# KiCad board Quiver_PT3_Main_PCB.kicad_pcb
note: AISLER Project ID: HGDYRTMZ
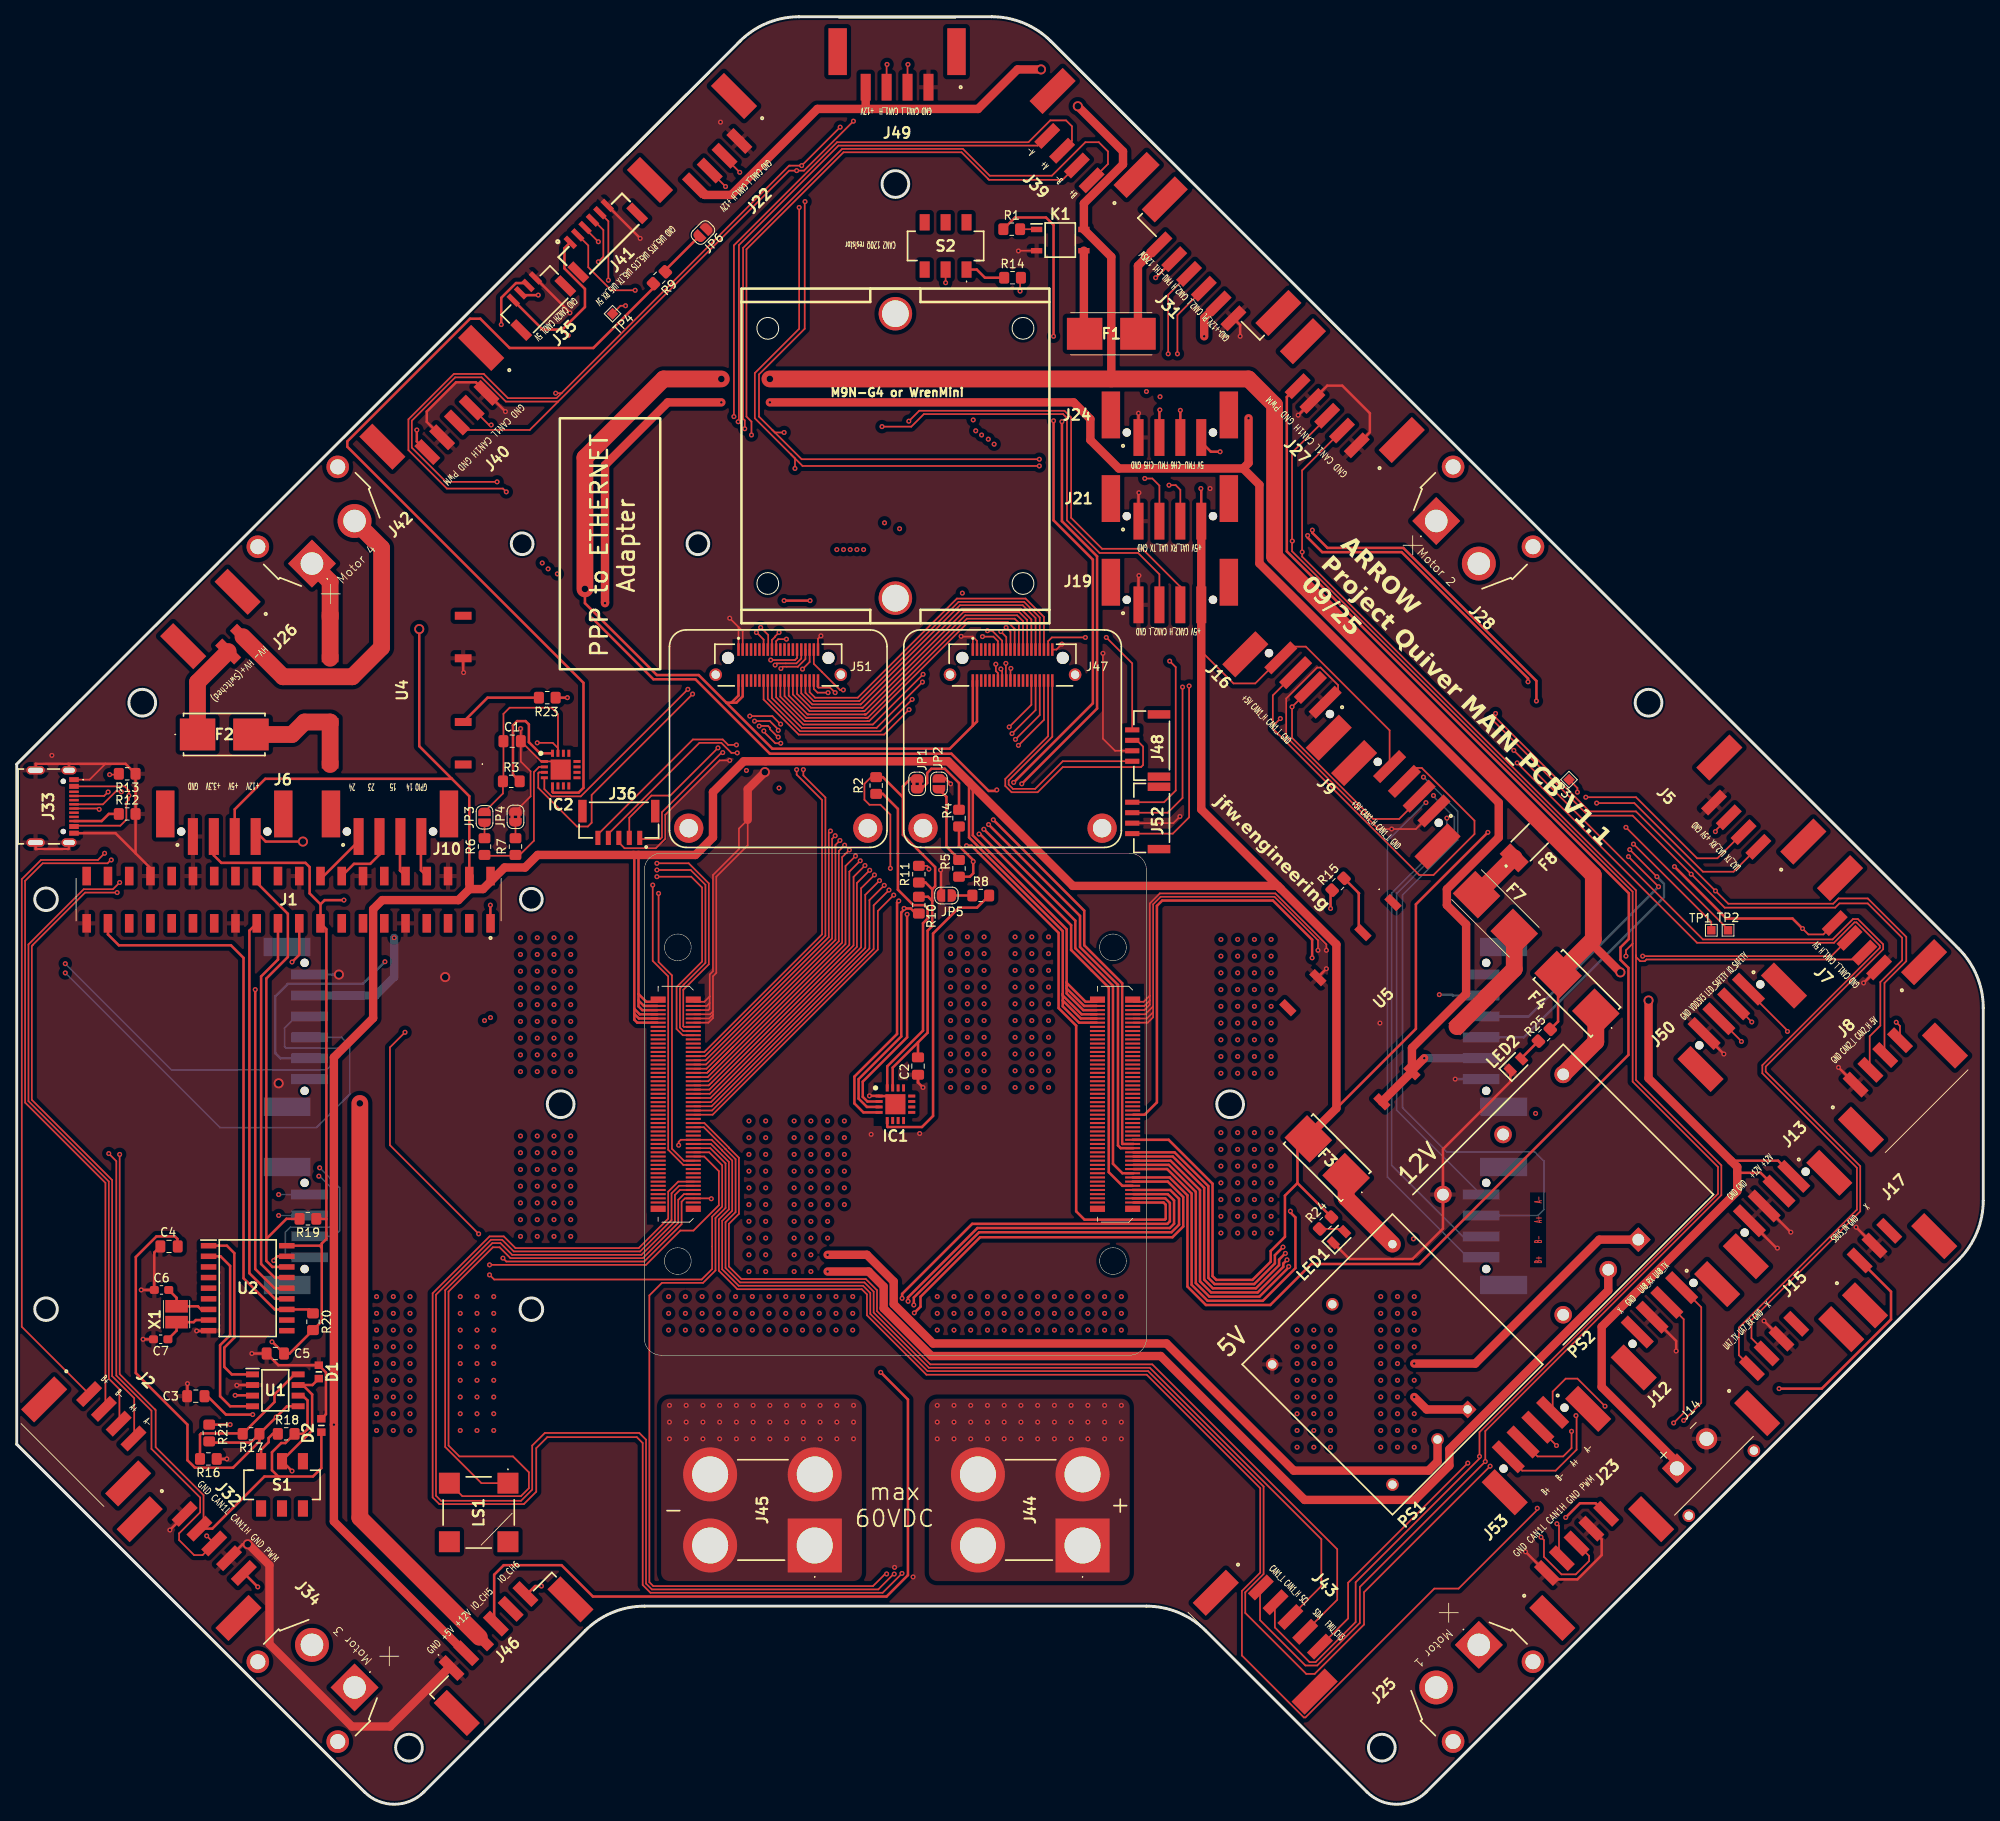
[diagram p0: board, top side]
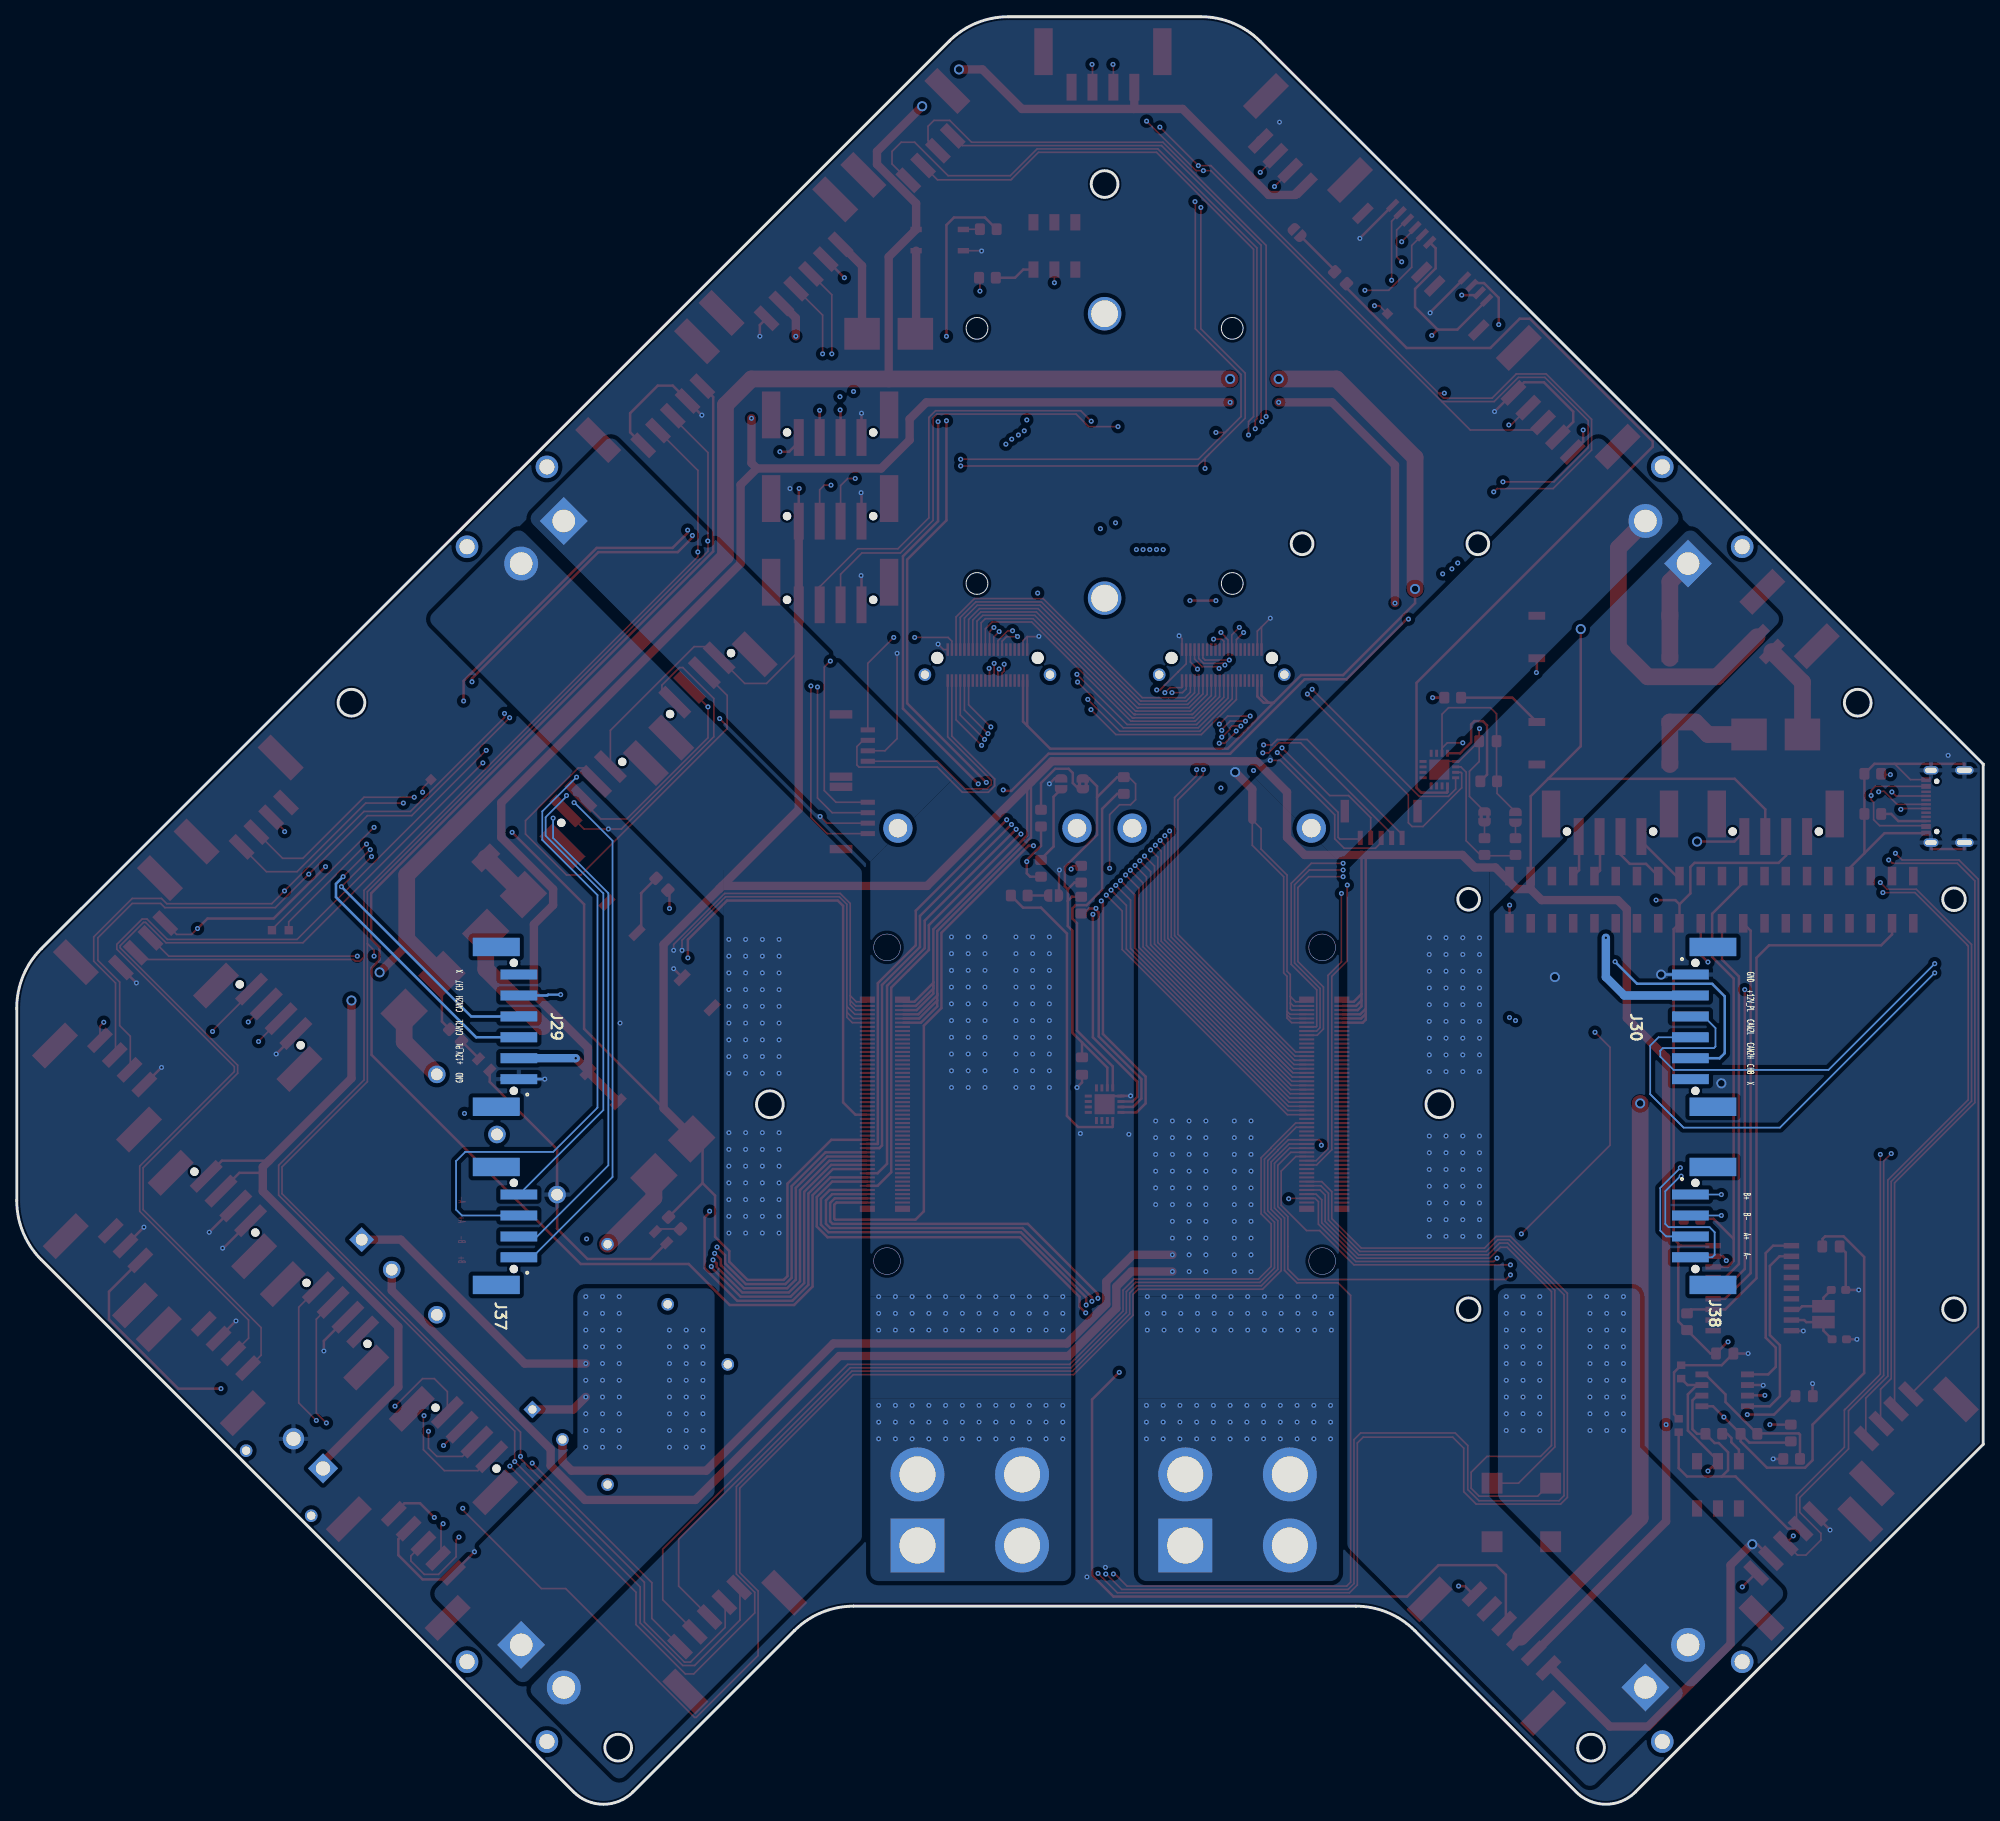
[diagram p1: board, bottom side, seen from below]

Outline 235 x 213.68 mm; copper layers: Top, In1.Cu, In2.Cu, In3.Cu, In4.Cu, Bottom. Coordinates in mm from the lower left corner of the outline.
Outline path: circle c3.5,108.18 r1.35 ; circle c3.5,59.18 r1.35 ; circle c15,131.68 r1.6 ; circle c46.87,6.77 r1.6 ; circle c60.4,150.68 r1.3 ; circle c61.5,108.18 r1.3 ; circle c61.5,59.18 r1.35 ; circle c65,83.68 r1.6 ; circle c79,102.43 r1.6 ; circle c79,64.93 r1.6 ; circle c81.4,150.68 r1.3 ; circle c105,193.68 r1.6 ; circle c131,102.43 r1.6 ; circle c131,64.93 r1.6 ; circle c145,83.68 r1.6 ; circle c163.13,6.77 r1.6 ; circle c195,131.68 r1.6 ; 0,124.33 0,43.03 41.57,1.46 arc(45.1,0) 48.64,1.46 67.93,20.75 arc(71.17,22.92) 75,23.68 135,23.68 arc(138.83,22.92) 142.07,20.75 161.35,1.48 arc(164.89,0) 168.43,1.46 232.08,65.11 arc(234.24,68.35) 235,72.18 235,95.19 arc(234.24,99.02) 232.07,102.26 123.57,210.76 arc(120.33,212.92) 116.51,213.68 93.47,213.68 arc(89.66,212.92) 86.42,210.75 0,124.33
Stack: Top 0.035mm / dielectric 0.1mm FR4 er 4.5 / In1.Cu 0.035mm / dielectric 0.535mm FR4 er 4.5 / In2.Cu 0.035mm / dielectric 0.1mm FR4 er 4.5 / In3.Cu 0.035mm / dielectric 0.535mm FR4 er 4.5 / In4.Cu 0.035mm / dielectric 0.1mm FR4 er 4.5 / Bottom 0.035mm

## Placement (name value [footprint] x y rotation side)
C1  100nF  [C_0805_2012Metric_Pad1.18x1.45mm_HandSolder]  59.2 127.08 0 top
C2  100nF  [C_0805_2012Metric_Pad1.18x1.45mm_HandSolder]  107.7 88.25 270 top
C3  100nF  [C_0805_2012Metric_Pad1.18x1.45mm_HandSolder]  21.4 48.78 0 top
C4  100nF  [C_0805_2012Metric_Pad1.18x1.45mm_HandSolder]  18.2 66.68 180 top
C5  100nF  [C_0805_2012Metric_Pad1.18x1.45mm_HandSolder]  30.9 53.88 0 top
C6  8pF  [C_0603_1608Metric_Pad1.08x0.95mm_HandSolder]  17.3 61.48 0 top
C7  8pF  [C_0603_1608Metric_Pad1.08x0.95mm_HandSolder]  17.2 55.58 0 top
D1  PESD0603-240  [DIONC1608X55N]  36.1 51.68 90 top
D2  PESD0603-240  [DIONC1608X55N]  36.4 45.28 90 top
F1  0154002.DR  [0154002DR]  130.8 175.78 0 top
F2  0154005.DR  [0154005DR]  24.8 127.88 0 top
F3  0154005.DR  [0154005DR]  156.6 77.28 135 top
F4  0154005.DR  [0154005DR]  186.44 96.94 135 top
F7  0154002.DR  [0154002DR]  176.7 106.48 135 top
F8  1812L110_24DR  [1812L010DR]  180.8 114.98 45 top
IC1  TSYS01  [QFN65P400X400X90-17N]  105 83.68 0 top
IC2  TSYS01  [QFN65P400X400X90-17N]  65 123.68 0 top
J1  RPI_5_WITH_SSQ-120-01-F-D  [SSM-120-XXX-DV]  32.49 108.13 0 top
J2  -  [1814935]  11.3 46.38 315 top
J3  -  [AXK6S00547YG]  78.75 83.68 270 top
J4  -  [AXK6S00547YG]  131.25 83.68 270 top
J5  -  [1814935]  205.47 117.1 135 top
J6  -  [1778719]  24.8 118.38 0 top
J7  -  [1814935]  219.9 102.68 135 top
J8  -  [1814935]  222.4 88.68 45 top
J9  -  [1778719]  164.8 119.48 135 top
J10  -  [1778719]  44.6 118.38 0 top
J11  -  [M9N-G4-3100]  105 161.18 0 top
J12  -  [1778719]  198.21 57.2 225 top
J13  -  [1778719]  211.61 70.5 225 top
J14  XT30PW-F  [XT30PW-F_AMASS_XT30PW-F]  203.7 38.38 225 top
J15  -  [1814935]  210 54.78 45 top
J16  -  [1778719]  151.8 132.48 135 top
J17  -  [1814922]  222 66.78 45 top
J19  -  [1778719]  137.8 146.08 0 top
J21  -  [1778719]  137.8 156.08 0 top
J22  -  [1814935]  83.7 196.18 225 top
J23  -  [1814948]  186.4 31.18 45 top
J24  -  [1778719]  137.8 166.08 0 top
J25  XT60PW-F  [XT60PWF]  176.4 12.28 225 top
J26  -  [1814919]  26.15 138.68 225 top
J27  -  [1814948]  156.6 165.98 135 top
J28  XT60PW-F  [XT60PWF]  176.4 155.08 315 top
J29  -  [1778735]  175 92.93 90 bottom
J30  -  [1778735]  35 92.93 270 bottom
J31  -  [1814951]  143.2 184.28 135 top
J32  -  [1814948]  23.6 31.18 315 top
J33  USB4216-03-A  [USB421603A]  3.5 119.28 270 top
J34  XT60PW-F  [XT60PWF]  33.6 12.28 135 top
J35  SM04B-GHS-TB_LF__SN_  [SM04B-GHS-TB]  60.8 180.98 45 top
J36  SM05B-GHS-TB_LF__SN_  [SM05B-GHS-TB]  71.95 115.72 180 top
J37  -  [1778719]  177.7 69.13 90 bottom
J38  -  [1778719]  32.3 69.13 270 bottom
J39  -  [1814935]  125.8 196.78 135 top
J40  -  [1814948]  52.6 165.18 225 top
J41  SM06B-GHS-TB_LF__SN_  [SM06B-GHS-TB]  67.6 182.08 45 top
J42  XT60PW-F  [XT60PWF]  33.6 155.08 45 top
J43  -  [1814948]  152.2 22.38 315 top
J44  -  [AMT0450003DB0000G]  127.36 30.93 90 top
J45  -  [AMT0450003DB0000G]  95.36 30.93 90 top
J46  -  [1814951]  58.6 18.48 45 top
J47  GIGABLOX_NANO_SWITCH_REVA_MODULE  [GIGABLOX_NANO_SWITCH_REVA_MODULE_LSHM-120-02.5-L-DV-A-S-K-TR]  119 136.18 0 top
J48  SM04B-GHS-TB_LF__SN_  [SM04B-GHS-TB]  133.5 126.56 90 top
J49  1814935  [1814935#2]  105.2 205.26 180 top
J50  -  [1778719]  206.2 92.88 225 top
J51  GIGABLOX_NANO_SWITCH_REVA_MODULE  [GIGABLOX_NANO_SWITCH_REVA_MODULE_LSHM-120-02.5-L-DV-A-S-K-TR]  91 136.18 0 top
J52  SM04B-GHS-TB_LF__SN_  [SM04B-GHS-TB]  133.5 117.91 90 top
J53  -  [1778719]  182.8 42.28 225 top
JP1  SolderJumper_2_Bridged  [SolderJumper-2_P1.3mm_Bridged2Bar_RoundedPad1.0x1.5mm]  107.6 121.98 90 top
JP2  SolderJumper_2_Open  [SolderJumper-2_P1.3mm_Open_RoundedPad1.0x1.5mm]  110.2 121.98 90 top
JP3  SolderJumper_2_Open  [SolderJumper-2_P1.3mm_Open_RoundedPad1.0x1.5mm]  55.9 117.98 90 top
JP4  SolderJumper_2_Bridged  [SolderJumper-2_P1.3mm_Bridged2Bar_RoundedPad1.0x1.5mm]  59.6 118.03 90 top
JP5  SolderJumper_2_Open  [SolderJumper-2_P1.3mm_Open_RoundedPad1.0x1.5mm]  111.1 108.63 0 top
JP6  SolderJumper_2_Open  [SolderJumper-2_P1.3mm_Open_RoundedPad1.0x1.5mm#2]  82 187.88 225 top
K1  CPC1019N  [SOP254P610X218-4N]  124.7 186.98 0 top
LED1  APT2012LVBC_D  [LEDC2012X85N]  158 67.78 45 top
LED2  APT2012LVBC_D  [LEDC2012X85N]  179.15 88.43 45 top
LS1  CMT-8530S-SMT-TR  [CMT8530SSMTTR]  55.2 34.88 90 top
PS1  REC20K-4805SZ  [REC20K]  173.38 47.19 135 top
PS2  REC30K-4812SZ  [REC30K]  193.78 67.49 135 top
R1  1K5  [R_0805_2012Metric_Pad1.20x1.40mm_HandSolder]  118.9 188.28 0 top
R2  100k  [R_0805_2012Metric_Pad1.20x1.40mm_HandSolder]  102.7 121.78 270 top
R3  100k  [R_0805_2012Metric_Pad1.20x1.40mm_HandSolder]  59.1 122.28 0 top
R4  100k  [R_0805_2012Metric_Pad1.20x1.40mm_HandSolder]  112.6 117.88 90 top
R5  100k  [R_0805_2012Metric_Pad1.20x1.40mm_HandSolder]  112.6 111.88 90 top
R6  100k  [R_0805_2012Metric_Pad1.20x1.40mm_HandSolder]  55.9 114.48 90 top
R7  100k  [R_0805_2012Metric_Pad1.20x1.40mm_HandSolder]  59.6 114.48 90 top
R8  100k  [R_0805_2012Metric_Pad1.20x1.40mm_HandSolder]  115.2 108.63 0 top
R9  100k  [R_0805_2012Metric_Pad1.20x1.40mm_HandSolder]  76.8 182.48 225 top
R10  10k  [R_0805_2012Metric_Pad1.20x1.40mm_HandSolder]  107.8 107.48 270 top
R11  10k  [R_0805_2012Metric_Pad1.20x1.40mm_HandSolder]  107.8 111.18 90 top
R12  5K1  [R_0805_2012Metric_Pad1.20x1.40mm_HandSolder]  13.2 118.38 0 top
R13  5K1  [R_0805_2012Metric_Pad1.20x1.40mm_HandSolder]  13.2 123.18 180 top
R14  120R  [R_0805_2012Metric_Pad1.20x1.40mm_HandSolder]  119 182.48 0 top
R15  1K5  [R_0805_2012Metric_Pad1.20x1.40mm_HandSolder]  157.9 109.98 45 top
R16  0R  [R_0805_2012Metric_Pad1.20x1.40mm_HandSolder]  22.9 41.28 180 top
R17  10K  [R_0805_2012Metric_Pad1.20x1.40mm_HandSolder]  28 44.28 180 top
R18  120R  [R_0805_2012Metric_Pad1.20x1.40mm_HandSolder]  32.2 44.28 0 top
R19  10K  [R_0805_2012Metric_Pad1.20x1.40mm_HandSolder]  34.8 69.98 180 top
R20  10K  [R_0805_2012Metric_Pad1.20x1.40mm_HandSolder]  35.4 57.68 270 top
R21  10K  [R_0805_2012Metric_Pad1.20x1.40mm_HandSolder]  23 44.38 270 top
R23  1K5  [R_0805_2012Metric_Pad1.20x1.40mm_HandSolder]  63.4 132.28 0 top
R24  1K2  [R_0805_2012Metric_Pad1.20x1.40mm_HandSolder]  156.4 69.48 225 top
R25  4K7  [R_0805_2012Metric_Pad1.20x1.40mm_HandSolder]  182.55 91.93 225 top
S1  SLW-913535-2A-SMT  [SLW9135352ASMT]  31.7 38.18 0 top
S2  SLW-913535-2A-SMT  [SLW9135352ASMT]  111 186.28 180 top
TP1  TestPoint_Small  [TestPoint_Pad_1.0x1.0mm]  202.5 104.48 0 top
TP2  TestPoint_Small  [TestPoint_Pad_1.0x1.0mm]  204.5 104.48 0 top
TP3  TestPoint_Small  [TestPoint_Pad_1.0x1.0mm]  185.5 122.48 135 top
TP4  TestPoint_Small  [TestPoint_Pad_1.0x1.0mm]  71.2 178.18 45 top
U1  TJA1049T/3J  [SOIC127P600X175-8N]  30.9 49.48 0 top
U2  MCP2515-I/SO  [SOIC127P1030X265-18N]  27.6 61.69 0 top
U4  -  [CPC1907B]  45.4 133.18 90 top
U5  -  [CPC1907B]  163.8 95.88 225 top
X1  16MHz  [NX3225GD-STD-CRA-3]  19.1 58.58 90 top

## Library data of the parts
C1-C5 = -: Description: Unpolarized capacitor; MFR: Yageo; MPN: CC0805KRX7R9BB104; SUPPLIER: Mouser; SUPPLIER PART NUMBER: 603-CC805KRX7R9BB104; PRICE: 0.1; ki_fp_filters: C_*
C6 C7 = -: Description: Unpolarized capacitor; MFR: Yageo; MPN: CC0603JRNPO9BN8R0; SUPPLIER: Mouser; SUPPLIER PART NUMBER: 603-CC603JRNPO9BN8R0; PRICE: 0.14; ki_fp_filters: C_*
D1 D2 = -: Datasheet: http://www.littelfuse.com/~/media/electronics/datasheets/polymer_esd_suppressors/littelfuse_polymer_esd_suppressor_pesd_catalog_datasheet.pdf.pdf; Description: LITTELFUSE - PESD0603-240 - ESD SUPPRESSOR, 0603, 24V, 0.25PF; SUPPLIER PART NUMBER: 650-PESD0603-240; SUPPLIER: Mouser; MFR: LITTELFUSE; Height: 0.55; Mouser Part Number: 650-PESD0603-240; Mouser Price/Stock: https://www.mouser.co.uk/ProductDetail/Littelfuse/PESD0603-240?qs=NK6InXoXhq6AnVVWZjdyfg%3D%3D; Manufacturer_Name: LITTELFUSE
F1 F7 = -: Datasheet: https://m.littelfuse.com/~/media/electronics/datasheets/fuses/littelfuse_fuse_154_154t_154l_154tl_datasheet.pdf.pdf; Description: Fuse,Nano2,SMT,c/w holder,2A; Height: 3.81; Mouser Part Number: 576-0154002.DR; Mouser Price/Stock: https://www.mouser.co.uk/ProductDetail/Littelfuse/0154002.DR?qs=2VFNtWizgiepeX3HD6cLDg%3D%3D; Manufacturer_Name: LITTELFUSE
F2-F4 = -: Datasheet: https://www.littelfuse.com/~/media/electronics/datasheets/fuses/littelfuse_fuse_154_154t_154l_154tl_datasheet.pdf.pdf; Description: Fuse, Surface Mount with Clip/Holder, 5 A, Very Fast Acting, 125 VAC, 125 VDC, 9.73mm x 5.03mm; Height: 3.81; Mouser Part Number: 576-0154005.DR; Mouser Price/Stock: https://www.mouser.co.uk/ProductDetail/Littelfuse/0154005.DR?qs=gu7KAQ731UQKgD7nXNO7lg%3D%3D; Manufacturer_Name: LITTELFUSE
F8 = -: Datasheet: http://www.littelfuse.com/~/media/electronics/datasheets/resettable_ptcs/littelfuse_ptc_1812l_datasheet.pdf.pdf; Description: Resettable Fuses - PPTC PTC 24V POLY 1812 HALOGEN-FREE 1.10A; Height: 1.25; Mouser Part Number: 576-1812L110/24DR; Mouser Price/Stock: https://www.mouser.co.uk/ProductDetail/Littelfuse/1812L110-24DR?qs=fp%2Fo%2FcJ74olDQ9douCTKCA%3D%3D; Manufacturer_Name: LITTELFUSE; Manufacturer_Part_Number: 1812L110/24DR
IC1 IC2 = -: Datasheet: https://www.te.com/commerce/DocumentDelivery/DDEController?Action=showdoc&DocId=Data+Sheet%7FTSYS01%7FA%7Fpdf%7FEnglish%7FENG_DS_TSYS01_A.pdf%7FG-NICO-018; Description: Temp Sensor Digital Serial (4-Wire, SPI, I2C) 16-Pin QFN EP - Bulk; Height: 0.9; Mouser Part Number: 824-TSYS01; Mouser Price/Stock: https://www.mouser.co.uk/ProductDetail/Measurement-Specialties/TSYS01?qs=X3dlXJsz9DAvF3tElFUMhA%3D%3D; Manufacturer_Name: TE Connectivity
J1 = -: Datasheet: http://suddendocs.samtec.com/prints/ssq-1xx-xx-xxx-x-xx-xxx-xx-x-mkt.pdf; Description: SSQ-120-01-F-D as a socket for a raspberry PI; Mouser Part Number: 200-SSQ12001FD; Mouser Price/Stock: https://www.mouser.co.uk/ProductDetail/Samtec/SSQ-120-01-F-D?qs=rU5fayqh%252BE20kWZIdhBN%2Fg%3D%3D; Manufacturer_Name: SAMTEC; Manufacturer_Part_Number: SSQ-120-01-F-D
J2 J5 J7 J8 J15 J22 J39 J49 = -: Datasheet: http://www.phoenixcontact.com/de/produkte/1814935/pdf; Description: PCB header, nominal cross section: 0.5 mm?, color: white, nominal current: 6 A, rated voltage (III/2): 160 V, contact surface: Tin, type of contact: Male connector, Number of potentials: 4, Number of rows: 1, Number of positions per row: 4, number of connections: 4, product range: PTSM 0,5/..-HH-SMD WH, pitch: 2.5 mm, mounting: SMD soldering, pin layout: Linear pad geometry, Stecksystem: COMBICON COMPACT PTSM, Locking: without, type of packaging: 32 mm wide tape; Height: 5.1; Mouser Part Number: 651-1814935; Mouser Price/Stock: https://www.mouser.co.uk/ProductDetail/Phoenix-Contact/1814935?qs=eTPcRhULBzz6VcWT1ftydw%3D%3D; Manufacturer_Name: Phoenix Contact
J3 J4 = -: Description: Board to Board & Mezzanine Connectors CONN HEADER BRD/BRD 100 POS 0.5mm; MF: Panasonic Electric Works; MANUFACTURER_PART_NUMBER: AXK5S00347YG; Height: 4.5; Mouser Part Number: 769-AXK6S00547YG; Mouser Price/Stock: https://www.mouser.co.uk/ProductDetail/Panasonic-Industrial-Devices/AXK6S00547YG?qs=2rFUEsTwVNzXsHygFilxuA%3D%3D; Manufacturer_Name: Panasonic
J6 J9 J10 J12 J13 J16 J19 J21 J24 J37 J38 J50 J53 = -: Datasheet: http://www.phoenixcontact.com/de/produkte/1778719/pdf; Description: PCB header, nominal cross section: 0.5 mm?, color: white, nominal current: 6 A, rated voltage (III/2): 160 V, contact surface: Tin, type of contact: Male connector, Number of potentials: 4, Number of rows: 1, Number of positions per row: 4, number of connections: 4, product range: PTSM 0,5/..-HV-SMD WH, pitch: 2.5 mm, mounting: SMD soldering, pin layout: Linear pad geometry, solder pin [P]: 2 mm, Stecksystem: COMBICON COMPACT PTSM, Locking: without, type of packaging: 44 mm wide tape, Article with anti-rota; Height: 7.65; Mouser Part Number: 651-1778719; Mouser Price/Stock: https://www.mouser.co.uk/ProductDetail/Phoenix-Contact/1778719?qs=o1waKiAPAqfNyRuQw4b1ZA%3D%3D; Manufacturer_Name: Phoenix Contact
J11 = -: Datasheet: http://suddendocs.samtec.com/prints/ssq-1xx-xx-xxx-x-xx-xxx-xx-x-mkt.pdf; Description: Mounting hole (this is not a component); Manufacturer_Name: SAMTEC; Manufacturer_Part_Number: SSQ-104-01-L-D
J14 = -: MF: amass; MAXIMUM_PACKAGE_HEIGHT: 5 mm; Package: None; Price: None; Check_prices: https://www.snapeda.com/parts/XT30PW-F/AMASS/view-part/?ref=eda; STANDARD: Manufacturer Recommendations; PARTREV: 1.2; SnapEDA_Link: https://www.snapeda.com/parts/XT30PW-F/AMASS/view-part/?ref=snap; Description_1: Socket; DC supply; XT30; female; PIN: 2; on PCBs; THT; yellow; 15A; MANUFACTURER: Amass; Availability: Not in stock
J17 = -: Datasheet: http://www.phoenixcontact.com/de/produkte/1814922/pdf; Description: PCB header, nominal cross section: 0.5 mm?, color: white, nominal current: 6 A, rated voltage (III/2): 160 V, contact surface: Tin, type of contact: Male connector, Number of potentials: 3, Number of rows: 1, Number of positions per row: 3, number of connections: 3, product range: PTSM 0,5/..-HH-SMD WH, pitch: 2.5 mm, mounting: SMD soldering, pin layout: Linear pad geometry, Stecksystem: COMBICON COMPACT PTSM, Locking: without, type of packaging: 32 mm wide tape; Height: 5.1; Mouser Part Number: 651-1814922; Mouser Price/Stock: https://www.mouser.co.uk/ProductDetail/Phoenix-Contact/1814922?qs=eTPcRhULBzxqa49Ua%252B87wQ%3D%3D; Manufacturer_Name: Phoenix Contact
J23 J27 J32 J40 J43 = -: Datasheet: http://www.phoenixcontact.com/de/produkte/1814948/pdf; Description: PCB header, nominal cross section: 0.5 mm?, color: white, nominal current: 6 A, rated voltage (III/2): 160 V, contact surface: Tin, type of contact: Male connector, Number of potentials: 5, Number of rows: 1, Number of positions per row: 5, number of connections: 5, product range: PTSM 0,5/..-HH-SMD WH, pitch: 2.5 mm, mounting: SMD soldering, pin layout: Linear pad geometry, Stecksystem: COMBICON COMPACT PTSM, Locking: without, type of packaging: 32 mm wide tape; Height: 5.1; Mouser Part Number: 651-1814948; Mouser Price/Stock: https://www.mouser.co.uk/ProductDetail/Phoenix-Contact/1814948?qs=eTPcRhULBzxggS8GURKAhQ%3D%3D; Manufacturer_Name: Phoenix Contact
J25 J28 J34 J42 = -: Datasheet: https://www.tme.eu/Document/1191bc2fa3aee3c446e5a895fd8f7983/XT60PW-F.pdf; Description: Socket; DC supply; XT60; female; PIN: 2; on PCBs; THT; Colour: yellow; Height: 8.4; Manufacturer_Name: Amass
J26 = -: Datasheet: http://www.phoenixcontact.com/de/produkte/1814919/pdf; Description: PCB header, nominal cross section: 0.5 mm?, color: white, nominal current: 6 A, rated voltage (III/2): 160 V, contact surface: Tin, type of contact: Male connector, Number of potentials: 2, Number of rows: 1, Number of positions per row: 2, number of connections: 2, product range: PTSM 0,5/..-HH-SMD WH, pitch: 2.5 mm, mounting: SMD soldering, pin layout: Linear pad geometry, Stecksystem: COMBICON COMPACT PTSM, Locking: without, type of packaging: 32 mm wide tape; Height: 5.1; Mouser Part Number: 651-1814919; Mouser Price/Stock: https://www.mouser.co.uk/ProductDetail/Phoenix-Contact/1814919?qs=eTPcRhULBzzSqCF04StxCA%3D%3D; Manufacturer_Name: Phoenix Contact
J29 J30 = -: Datasheet: http://www.phoenixcontact.com/de/produkte/1778735/pdf; Description: PCB header, nominal cross section: 0.5 mm?, color: white, nominal current: 6 A, rated voltage (III/2): 160 V, contact surface: Tin, type of contact: Male connector, Number of potentials: 6, Number of rows: 1, Number of positions per row: 6, number of connections: 6, product range: PTSM 0,5/..-HV-SMD WH, pitch: 2.5 mm, mounting: SMD soldering, pin layout: Linear pad geometry, solder pin [P]: 2 mm, Stecksystem: COMBICON COMPACT PTSM, Locking: without, type of packaging: 44 mm wide tape, Article with anti-rota; Height: 7.65; Mouser Part Number: 651-1778735; Mouser Price/Stock: https://www.mouser.co.uk/ProductDetail/Phoenix-Contact/1778735?qs=o1waKiAPAqcXgH7sF%252BQdVA%3D%3D; Manufacturer_Name: Phoenix Contact
J31 J46 = -: Datasheet: https://www.phoenixcontact.com/en-in/products/pcb-header-ptsm-05-6-hh0-25-smd-wh-r44-1814951; Description: PCB header, nominal cross section: 0.5 mm?, color: white, nominal current: 6 A, rated voltage (III/2): 160 V, contact surface: Tin, type of contact: Male connector, Number of potentials: 6, Number of rows: 1, Number of positions per row: 6, number of connections: 6, product range: PTSM 0,5/..-HH-SMD WH, pitch: 2.5 mm, mounting: SMD soldering, pin layout: Linear pad geometry, Stecksystem: COMBICON COMPACT PTSM, Locking: without, type of packaging: 44 mm wide tape; Height: 5.1; Mouser Part Number: 651-1814951; Mouser Price/Stock: https://www.mouser.co.uk/ProductDetail/Phoenix-Contact/1814951?qs=eTPcRhULBzz98OWW2TOMKg%3D%3D; Manufacturer_Name: Phoenix Contact
J33 = -: Datasheet: https://gct.co/connector/usb4216; Description: USB Connectors USB C Receptacle, Short Body, USB2.0, 16Pin, Horizontal, SMT; Height: 3.51; Mouser Part Number: 640-USB4216-03-A; Mouser Price/Stock: https://www.mouser.co.uk/ProductDetail/GCT/USB4216-03-A?qs=Tc%252BHE9vUsnv1G2UWLFIexA%3D%3D; Manufacturer_Name: GCT (GLOBAL CONNECTOR TECHNOLOGY)